# KiCad board drvesc.kicad_pcb
title: MUREX DRVESC; date: 2023-08-19; rev: V1.0; company: Murex Robotics [Max Liu]; note: // ONLY THE PARANOID SURVIVE.; note: // MOVE FAST.; note: TI's DRV8305 driver, and external mosfets, as the motor driver architecture.; note: The MUREX DRVESC is Murex Robotics' custom speed controller using an RP2040,
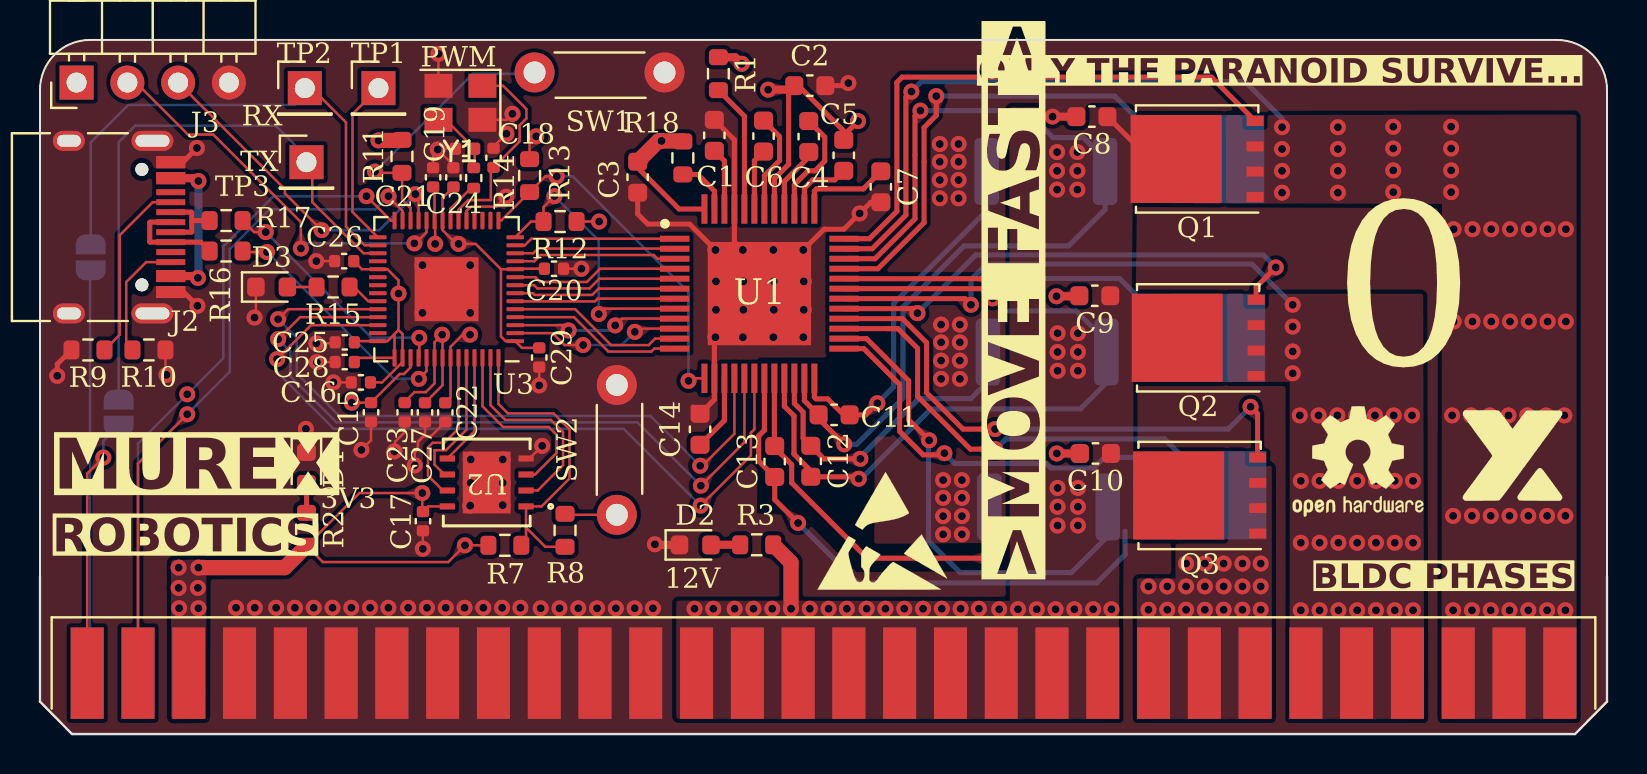
[diagram p0: board, top side]
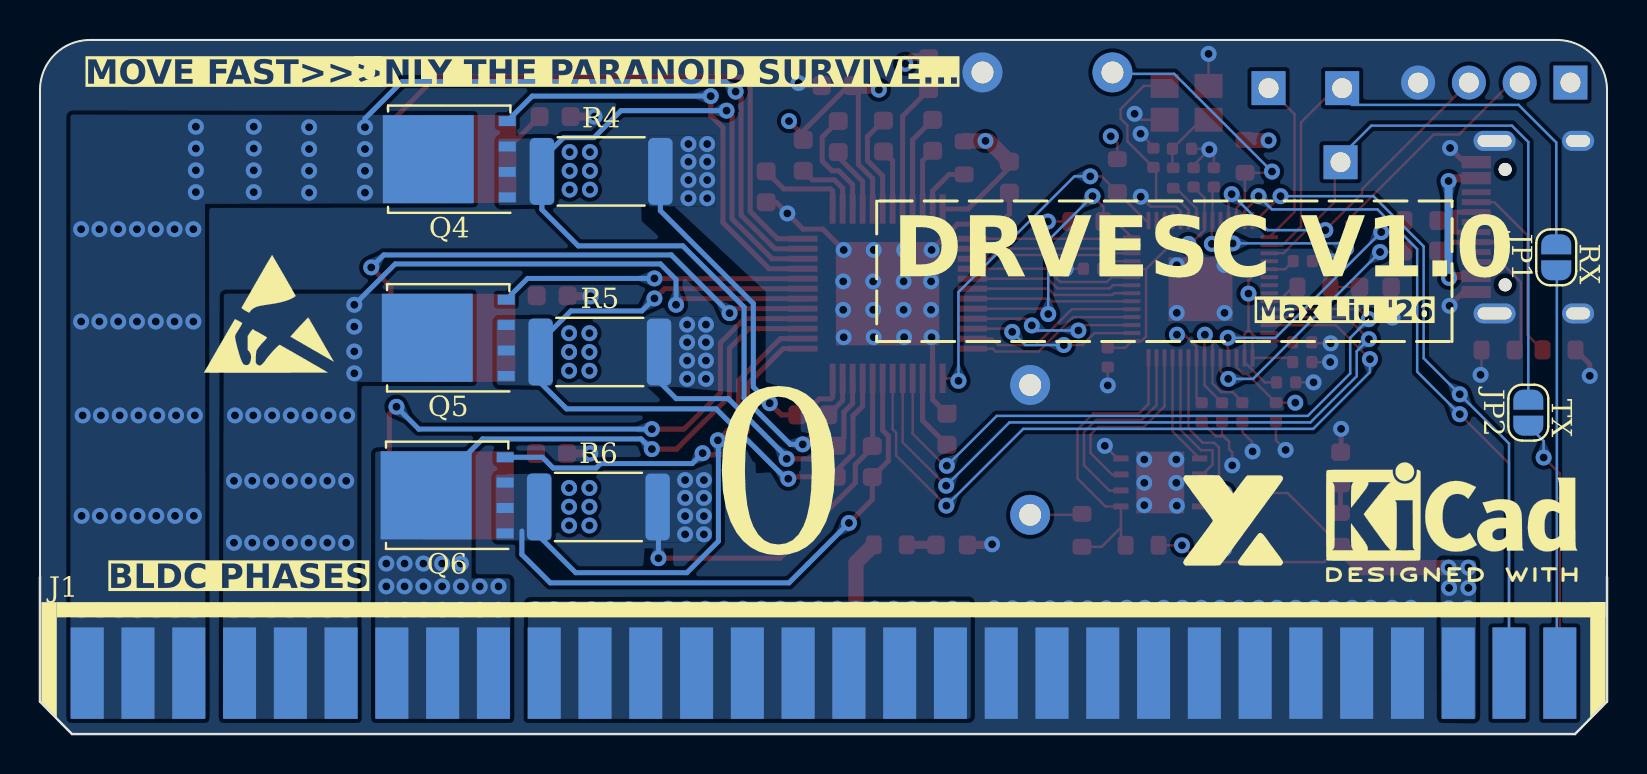
[diagram p1: board, bottom side, seen from below]

Outline 78.38 x 34.75 mm; copper layers: Top, PGND.Cu (plane), PWR.Cu (plane), Bottom. Coordinates in mm from the lower left corner of the outline.
Outline path: 0,7.87 0,32.25 arc(0.73,34.01) 2.5,34.75 75.88,34.75 arc(77.65,34.01) 78.38,32.25 78.38,7.87
Stack: Top 0.035mm / dielectric 0.1mm FR4 er 4.5 / PGND.Cu 0.035mm / dielectric 1.24mm FR4 er 4.5 / PWR.Cu 0.035mm / dielectric 0.1mm FR4 er 4.5 / Bottom 0.035mm

## Placement (name value [footprint] x y rotation side)
C1  1uF  [C_0603_1608Metric]  33.73 29.97 90 top
C2  4.7uF  [C_0603_1608Metric]  38.51 32.46 0 top
C3  1uF  [C_0603_1608Metric]  29.9 27.88 270 top
C4  0.047uF  [C_0603_1608Metric]  38.45 29.91 270 top
C5  2.2uF  [C_0603_1608Metric]  40.21 28.97 270 top
C6  0.047uF  [C_0603_1608Metric]  36.19 29.94 270 top
C7  1uF  [C_0603_1608Metric]  42.06 27.4 270 top
C8  1uF  [C_0603_1608Metric]  52.62 30.91 180 top
C9  1uF  [C_0603_1608Metric]  52.76 21.94 180 top
C10  1uF  [C_0603_1608Metric]  52.79 14.05 180 top
C11  1nF  [C_0603_1608Metric]  39.72 15.98 0 top
C12  1nF  [C_0603_1608Metric]  38.55 13.65 90 top
C13  1nF  [C_0603_1608Metric]  36.75 13.64 90 top
C14  1uF  [C_0603_1608Metric]  33.02 15.26 90 top
C15  1uF  [C_0402_1005Metric]  16.56 16.11 270 top
C16  1uF  [C_0402_1005Metric]  16.05 17.6 180 top
C17  1uF  [C_0402_1005Metric]  19.16 10.66 270 top
C18  27pF  [C_0402_1005Metric]  22.69 28.85 270 top
C19  27pF  [C_0402_1005Metric]  21.26 29.3 180 top
C20  0.1uF  [C_0402_1005Metric]  25.71 23.29 180 top
C21  0.1uF  [C_0402_1005Metric]  19.67 27.87 90 top
C22  0.1uF  [C_0402_1005Metric]  20.27 16.1 270 top
C23  0.1uF  [C_0402_1005Metric]  18.24 16.11 90 top
C24  0.1uF  [C_0402_1005Metric]  20.68 27.87 90 top
C25  0.1uF  [C_0402_1005Metric]  15.25 19.61 180 top
C26  0.1uF  [C_0402_1005Metric]  15.22 23.68 180 top
C27  0.1uF  [C_0402_1005Metric]  19.26 16.1 270 top
C28  0.1uF  [C_0402_1005Metric]  15.24 18.62 180 top
C29  0.1uF  [C_0402_1005Metric]  24.97 18.85 90 top
D1  LED  [LED_0603_1608Metric]  13.33 13.32 270 top
D2  LED  [LED_0603_1608Metric]  32.78 9.47 0 top
D3  LED  [LED_0603_1608Metric]  11.59 22.38 0 top
G***  LOGO  [10x10mm_Branding]  73.63 14 0 top
G***#2  LOGO  [10x10mm_Branding]  18.73 10.75 180 bottom
J1  5530843-7  [TE_5530843-7_PCB_Edge]  39.19 0 180 bottom
J2  USB_C_Receptacle_USB2.0  [USB_C_Receptacle_HRO_TYPE-C-31-M-12]  2.5 25.38 270 top
J3  Conn_01x04  [PinHeader_1x04_P2.54mm_Horizontal]  1.83 32.61 90 top
JP1  RX  [SolderJumper-2_P1.3mm_Open_RoundedPad1.0x1.5mm]  2.54 23.87 90 bottom
JP2  TX  [SolderJumper-2_P1.3mm_Open_RoundedPad1.0x1.5mm]  3.94 16.09 90 bottom
Q1  CSD18540Q5B  [TDSON-8-1]  57.88 28.79 180 top
Q2  CSD18540Q5B  [TDSON-8-1]  57.93 19.83 180 top
Q3  CSD18540Q5B  [TDSON-8-1]  58.01 11.94 180 top
Q4  CSD18540Q5B  [TDSON-8-1]  57.91 28.78 0 bottom
Q5  CSD18540Q5B  [TDSON-8-1]  57.96 19.84 0 bottom
Q6  CSD18540Q5B  [TDSON-8-1]  58.02 11.95 0 bottom
R1  100Ω  [R_0603_1608Metric]  33.93 33.06 270 top
R2  1k  [R_0603_1608Metric]  13.34 10.25 90 top
R3  2.7k  [R_0603_1608Metric]  35.85 9.47 180 top
R4  5mΩ  [R_2512_6332Metric]  50.32 28.17 180 bottom
R5  5mΩ  [R_2512_6332Metric]  50.38 19.13 180 bottom
R6  5mΩ  [R_2512_6332Metric]  50.45 11.37 180 bottom
R7  10k  [R_0603_1608Metric]  23.25 9.45 0 top
R8  1k  [R_0603_1608Metric]  26.26 10.2 270 top
R9  5.1k  [R_0603_1608Metric]  2.4 19.23 180 top
R10  5.1k  [R_0603_1608Metric]  5.45 19.23 180 top
R11  10k  [R_0603_1608Metric]  18.11 28.92 270 top
R12  10k  [R_0603_1608Metric]  26.01 25.66 180 top
R13  10k  [R_0603_1608Metric]  24.49 27.96 90 top
R14  1k  [R_0402_1005Metric]  21.7 27.84 270 top
R15  1k  [R_0603_1608Metric]  14.66 22.38 180 top
R16  27  [R_0603_1608Metric]  9.31 24.18 0 top
R17  27  [R_0603_1608Metric]  9.31 25.7 0 top
R18  10k  [R_0603_1608Metric]  32.16 28.84 270 top
REF**  -  [OSHW-Logo2_7.3x6mm_SilkScreen]  65.93 13.65 0 top
REF**#2  -  [ESD-Logo_6.6x6mm_SilkScreen]  42.14 10.19 0 top
REF**#3  -  [ESD-Logo_6.6x6mm_SilkScreen]  66.93 21.05 180 bottom
REF**#4  -  [KiCad-Logo2_5mm_SilkScreen]  7.77 10.62 180 bottom
SW1  SW_Push  [SW_PUSH_6mm_SLIM]  24.74 33.12 0 top
SW2  SW_Push  [SW_PUSH_6mm_SLIM]  28.85 10.98 90 top
TP1  ESC_PWM  [PinHeader_1x01_P2.54mm_Vertical]  16.93 32.33 0 top
TP2  ESC_RX  [PinHeader_1x01_P2.54mm_Vertical]  13.25 32.33 0 top
TP3  ESC_TX  [PinHeader_1x01_P2.54mm_Vertical]  13.33 28.63 0 top
U1  DRV8305NPHP  [QFP50P900X900X120-49N]  35.99 22.05 0 top
U2  W25Q64JVXGIQ TR  [DFN_XGIQ TR_WIN]  22.34 12.59 180 top
U3  RP2040  [QFN-56-1EP_7x7mm_P0.4mm_EP3.2x3.2mm]  20.33 22.27 180 top
Y1  12MHz  [Crystal_SMD_3225-4Pin_3.2x2.5mm]  21.03 31.6 180 top

## Library data of the parts
C1-C10 C14 C20-C29 = -: Description: Unpolarized capacitor; ki_fp_filters: C_*
C11-C13 C15-C19 = -: Description: Unpolarized capacitor, small symbol; ki_fp_filters: C_*
D1-D3 = -: Description: Light emitting diode; ki_fp_filters: LED* LED_SMD:* LED_THT:*
J1 = -: Datasheet: http://www.te.com/commerce/DocumentDelivery/DDEController?Action=srchrtrv&DocNm=5530843&DocType=Customer+Drawing&DocLang=English; Arrow Price/Stock: https://www.arrow.com/en/products/5530843-7/te-connectivity; Height: 15.494; Manufacturer_Name: TE Connectivity; Mouser Part Number: 571-5530843-7; Mouser Price/Stock: https://www.mouser.co.uk/ProductDetail/TE-Connectivity/5530843-7?qs=CWN9I2qbSLtja0SlxvLT%2FQ%3D%3D
J2 = -: Description: USB 2.0-only Type-C Receptacle connector; ki_fp_filters: USB*C*Receptacle*
J3 = -: Description: Generic connector, single row, 01x04, script generated (kicad-library-utils/schlib/autogen/connector/); ki_fp_filters: Connector*:*_1x??_*
JP1 JP2 = -: Description: Jumper, 2-pole, open; ki_fp_filters: Jumper* TestPoint*2Pads* TestPoint*Bridge*
Q1-Q6 = -: Description: 100A Id, 60V Vds, NexFET N-Channel Power MOSFET, 2.2mOhm Ron, 41nC Qg(typ), SON8 5x6mm; ki_fp_filters: TDSON*
R1-R3 R11-R15 R18 = -: Description: Resistor; ki_fp_filters: R_*
R4-R6 = -: Description: Resistor, small US symbol; ki_fp_filters: R_*
R7-R10 R16 R17 = -: Description: Resistor, small symbol; ki_fp_filters: R_*
SW1 SW2 = -: Description: Push button switch, generic, two pins
TP1-TP3 = -: Description: test point; ki_fp_filters: Pin* Test*
U1 = -: Datasheet: http://www.ti.com/lit/gpn/DRV8305; Arrow Price/Stock: https://www.arrow.com/en/products/drv8305nphp/texas-instruments?region=nac; Height: 1.2; Manufacturer_Name: Texas Instruments; Mouser Part Number: 595-DRV8305NPHP; Mouser Price/Stock: https://www.mouser.co.uk/ProductDetail/Texas-Instruments/DRV8305NPHP?qs=kFLL9AfgRSBx%252BbxN8KCMrQ%3D%3D
U2 = -: ki_fp_filters: DFN_XGIQ TR_WIN DFN_XGIQ TR_WIN-M DFN_XGIQ TR_WIN-L
U3 = -: Description: A microcontroller by Raspberry Pi; ki_fp_filters: QFN*1EP*7x7mm?P0.4mm*
Y1 = -: Description: Four pin crystal, GND on pins 2 and 4, small symbol; ki_fp_filters: Crystal*

## Footprints (pads in the part's own frame, mm; a bottom-side part is the same pattern mirrored in y, then rotated)
C_0402_1005Metric
  rrect 0.56x0.62 smd: 1(-0.48,0) 2(0.48,0)
C_0603_1608Metric
  rrect 0.9x0.95 smd: 1(-0.775,0) 2(0.775,0)
Crystal_SMD_3225-4Pin_3.2x2.5mm
  rect 1.4x1.2 smd: 1(-1.1,-0.85) 2(1.1,-0.85) 3(1.1,0.85) 4(-1.1,0.85)
DFN_XGIQ TR_WIN
  rect 0.762x0.305 smd: 1(-1.968,1.2) 2(-1.968,0.4) 3(-1.968,-0.4) 4(-1.968,-1.2) 5(1.968,-1.2) 6(1.968,-0.4) 7(1.968,0.4) 8(1.968,1.2)
  rect 2.388x3.099 smd: 4(0,0)
LED_0603_1608Metric
  rrect 0.875x0.95 smd: 1(-0.787,0) 2(0.787,0)
PinHeader_1x01_P2.54mm_Vertical
  rect 1.7x1.7 hole 1: 1(0,0)
PinHeader_1x04_P2.54mm_Horizontal
  rect 1.7x1.7 hole 1: 1(0,0)
  oval 1.7x1.7 hole 1: 2(0,-2.54) 3(0,-5.08) 4(0,-7.62)
QFN-56-1EP_7x7mm_P0.4mm_EP3.2x3.2mm
  rrect 1.29x1.29 smd: (-0.8,0.8) (-0.8,-0.8) (0.8,0.8) (0.8,-0.8)
  rrect 0.875x0.2 smd: 1(-3.438,2.6) 2(-3.438,2.2) 3(-3.438,1.8) 4(-3.438,1.4) 5(-3.438,1) 6(-3.438,0.6) 7(-3.438,0.2) 8(-3.438,-0.2) 9(-3.438,-0.6) 10(-3.438,-1) 11(-3.438,-1.4) 12(-3.438,-1.8) 13(-3.438,-2.2) 14(-3.438,-2.6) 29(3.438,-2.6) 30(3.438,-2.2) 31(3.438,-1.8) 32(3.438,-1.4) 33(3.438,-1) 34(3.438,-0.6) 35(3.438,-0.2) 36(3.438,0.2) 37(3.438,0.6) 38(3.438,1) 39(3.438,1.4) 40(3.438,1.8) 41(3.438,2.2) 42(3.438,2.6)
  rrect 0.2x0.875 smd: 15(-2.6,-3.438) 16(-2.2,-3.438) 17(-1.8,-3.438) 18(-1.4,-3.438) 19(-1,-3.438) 20(-0.6,-3.438) 21(-0.2,-3.438) 22(0.2,-3.438) 23(0.6,-3.438) 24(1,-3.438) 25(1.4,-3.438) 26(1.8,-3.438) 27(2.2,-3.438) 28(2.6,-3.438) 43(2.6,3.438) 44(2.2,3.438) 45(1.8,3.438) 46(1.4,3.438) 47(1,3.438) 48(0.6,3.438) 49(0.2,3.438) 50(-0.2,3.438) 51(-0.6,3.438) 52(-1,3.438) 53(-1.4,3.438) 54(-1.8,3.438) 55(-2.2,3.438) 56(-2.6,3.438)
  rect 3.2x3.2 smd: 57(0,0)
QFP50P900X900X120-49N
  rect 1.475x0.3 smd: 1(-4.238,2.75) 2(-4.238,2.25) 3(-4.238,1.75) 4(-4.238,1.25) 5(-4.238,0.75) 6(-4.238,0.25) 7(-4.238,-0.25) 8(-4.238,-0.75) 9(-4.238,-1.25) 10(-4.238,-1.75) 11(-4.238,-2.25) 12(-4.238,-2.75) 25(4.238,-2.75) 26(4.238,-2.25) 27(4.238,-1.75) 28(4.238,-1.25) 29(4.238,-0.75) 30(4.238,-0.25) 31(4.238,0.25) 32(4.238,0.75) 33(4.238,1.25) 34(4.238,1.75) 35(4.238,2.25) 36(4.238,2.75)
  rect 0.3x1.475 smd: 13(-2.75,-4.238) 14(-2.25,-4.238) 15(-1.75,-4.238) 16(-1.25,-4.238) 17(-0.75,-4.238) 18(-0.25,-4.238) 19(0.25,-4.238) 20(0.75,-4.238) 21(1.25,-4.238) 22(1.75,-4.238) 23(2.25,-4.238) 24(2.75,-4.238) 37(2.75,4.238) 38(2.25,4.238) 39(1.75,4.238) 40(1.25,4.238) 41(0.75,4.238) 42(0.25,4.238) 43(-0.25,4.238) 44(-0.75,4.238) 45(-1.25,4.238) 46(-1.75,4.238) 47(-2.25,4.238) 48(-2.75,4.238)
  rect 5.17x5.17 smd: 49(0,0)
R_0402_1005Metric
  rrect 0.54x0.64 smd: 1(-0.51,0) 2(0.51,0)
R_0603_1608Metric
  rrect 0.8x0.95 smd: 1(-0.825,0) 2(0.825,0)
R_2512_6332Metric
  rrect 1.225x3.35 smd: 1(-2.962,0) 2(2.962,0)
SolderJumper-2_P1.3mm_Open_RoundedPad1.0x1.5mm
  custom 1x1.5 smd: 1(-0.65,0) 2(0.65,0)
SW_PUSH_6mm_SLIM
  round 2 hole 1.1: 1(0,0) 2(6.5,0)
TDSON-8-1
  rect 1.5x1.5 smd: (-0.2,0.85) (-0.2,-0.85) (1.5,0.85) (1.5,-0.85)
  custom 4.55x4.41 smd: (0.65,0)
  rect 0.75x0.5 smd: (2.905,1.905) (2.905,0.635) (2.905,-0.635) (2.905,-1.905)
  rect 0.85x0.5 smd: 1(-2.9,1.905) 2(-2.9,0.635) 3(-2.9,-0.635) 4(-2.9,-1.905)
  rect 4.55x4.41 smd: 5(1.05,0)
TE_5530843-7_PCB_Edge
  rect 1.651x4.572 smd far side: 1(-36.83,3.048) 3(-34.29,3.048) 5(-31.75,3.048) 7(-29.21,3.048) 9(-26.67,3.048) 11(-24.13,3.048) 13(-21.59,3.048) 15(-19.05,3.048) 17(-16.51,3.048) 19(-13.97,3.048) 21(-11.43,3.048) 23(-8.89,3.048) 25(-6.35,3.048) 27(-3.81,3.048) 29(-1.27,3.048) 31(1.27,3.048) 33(3.81,3.048) 35(6.35,3.048) 37(8.89,3.048) 39(11.43,3.048) 41(13.97,3.048) 43(16.51,3.048) 45(19.05,3.048) 47(21.59,3.048) 49(24.13,3.048) 51(26.67,3.048) 53(29.21,3.048) 55(31.75,3.048) 57(34.29,3.048) 59(36.83,3.048)
  rect 1.651x4.572 smd: 2(-36.83,3.048) 4(-34.29,3.048) 6(-31.75,3.048) 8(-29.21,3.048) 10(-26.67,3.048) 12(-24.13,3.048) 14(-21.59,3.048) 16(-19.05,3.048) 18(-16.51,3.048) 20(-13.97,3.048) 22(-11.43,3.048) 24(-8.89,3.048) 26(-6.35,3.048) 28(-3.81,3.048) 30(-1.27,3.048) 32(1.27,3.048) 34(3.81,3.048) 36(6.35,3.048) 38(8.89,3.048) 40(11.43,3.048) 42(13.97,3.048) 44(16.51,3.048) 46(19.05,3.048) 48(21.59,3.048) 50(24.13,3.048) 52(26.67,3.048) 54(29.21,3.048) 56(31.75,3.048) 58(34.29,3.048) 60(36.83,3.048)
USB_C_Receptacle_HRO_TYPE-C-31-M-12
  round 0.65 hole 0.65 unplated: (-2.89,2.6) (2.89,2.6)
  rect 0.6x1.45 smd: A1(-3.25,4.045) A4(-2.45,4.045) A9(2.45,4.045) A12(3.25,4.045) B1(3.25,4.045) B4(2.45,4.045) B9(-2.45,4.045) B12(-3.25,4.045)
  rect 0.3x1.45 smd: A5(-1.25,4.045) A6(-0.25,4.045) A7(0.25,4.045) A8(1.25,4.045) B5(1.75,4.045) B6(0.75,4.045) B7(-0.75,4.045) B8(-1.75,4.045)
  oval 1x2.1 hole 0.6x1.7: S1(-4.32,3.13) S1(4.32,3.13)
  oval 1x1.6 hole 0.6x1.2: S1(-4.32,-1.05) S1(4.32,-1.05)

## Nets
/+3V3: C3.1 C16.1 C17.1 C20.2 C23.2 C24.1 C25.1 C26.1 C27.1 C28.1 C29.2 J1.55 J1.56 J3.1 R2.1 R7.1 R11.1 R12.1 R13.2 R18.1 U1.48 U2.8 U3.1 U3.10 U3.22 U3.33 U3.42 U3.43 U3.44 U3.48 U3.49
/PVDD: C2.1 C5.1 C8.1 C9.1 C10.1 J1.19 J1.20 J1.21 J1.22 J1.23 J1.24 J1.25 J1.26 J1.27 J1.28 J1.29 J1.30 J1.31 J1.32 J1.33 J1.34 J1.35 J1.36 Q1.5 Q2.5 Q3.5 R1.1 R3.1 U1.41
/RP2040/+1.1V: C15.1 C21.1 C22.1 U3.23 U3.45 U3.50
/RP2040/VBUS: J2.A4 J2.A9 J2.B4 J2.B9
GND: C1.2 C2.2 C3.2 C7.2 C8.2 C9.2 C10.2 C11.2 C12.2 C13.2 C14.2 C15.2 C16.2 C17.2 C18.1 C19.2 C20.1 C21.2 C22.2 C23.1 C24.2 C25.2 C26.2 C27.2 C28.2 C29.1 D1.1 D2.1 D3.1 J1.37 J1.38 J1.39 J1.40 J1.41 J1.42 J1.43 J1.44 J1.45 J1.46 J1.47 J1.48 J1.49 J1.50 J1.51 J1.52 J1.53 J1.54 J2.A1 J2.A12 J2.B1 J2.B12 J2.S1 J3.4 R4.2 R5.2 R6.2 R9.2 R10.1 SW1.2 SW2.2 U1.14 U1.20 U1.22 U1.24 U1.45 U1.49 U2.4 U3.19 U3.57 Y1.2 Y1.4
/BOARD_RX: J1.58 U3.28
/BOARD_RX_1: J1.60 JP1.1
/BOARD_TX: J1.57 U3.27
/BOARD_TX_1: J1.59 JP2.1
/EN_GATE: U1.1 U3.13
/ESC_PWM: TP1.1 U3.29
/GH_A: Q1.4 U1.36
/GH_B: Q2.4 U1.29
/GH_C: Q3.4 U1.28
/GL_A: Q4.4 U1.33
/GL_B: Q5.4 U1.32
/GL_C: Q6.4 U1.25
/INHA: U1.2 U3.12
/INHB: U1.4 U3.9
/INHC: U1.6 U3.7
/INLA: U1.3 U3.11
/INLB: U1.5 U3.8
/INLC: U1.7 U3.6
/NFAULT: R12.2 U1.8 U3.14
/NSCS: U1.9 U3.3
/PWRGD: R13.1 U1.13 U3.15
/RP2040/ADC_SPARE: U3.41
/RP2040/LED: R15.1 U3.37
/RP2040/QSPI_CS: R7.2 R8.2 U2.1 U3.56
/RP2040/QSPI_SCLK: U2.6 U3.52
/RP2040/QSPI_SD0: U2.5 U3.53
/RP2040/QSPI_SD1: U2.2 U3.55
/RP2040/QSPI_SD2: U2.3 U3.54
/RP2040/QSPI_SD3: U2.7 U3.51
/RP2040/RUN: R11.2 SW1.1 U3.26
/RP2040/SWD: J3.3 U3.25
/RP2040/SWLK: J3.2 U3.24
/RP2040/USB_BOOT: R8.1 SW2.1
/RP2040/USB_N: J2.A7 J2.B7 R17.1
/RP2040/USB_P: J2.A6 J2.B6 R16.1
/SCLK: U1.12 U3.4
/SDI: U1.10 U3.2
/SDO: U1.11 U3.5
/SH_A: J1.1 J1.2 J1.3 J1.4 J1.5 J1.6 Q1.1 Q1.2 Q1.3 Q4.5 U1.35
/SH_B: J1.7 J1.8 J1.9 J1.10 J1.11 J1.12 Q2.1 Q2.2 Q2.3 Q5.5 U1.30
/SH_C: J1.13 J1.14 J1.15 J1.16 J1.17 J1.18 Q3.1 Q3.2 Q3.3 Q6.5 U1.27
/SL_A: C11.1 Q4.1 Q4.2 Q4.3 R4.1 U1.23 U1.34
/SL_B: C12.1 Q5.1 Q5.2 Q5.3 R5.1 U1.21 U1.31
/SL_C: C13.1 Q6.1 Q6.2 Q6.3 R6.1 U1.19 U1.26
/SO1: U1.16 U3.38
/SO2: U1.17 U3.39
/SO3: U1.18 U3.40
/UART1_RX: JP1.2 TP2.1 U3.30
/UART1_TX: JP2.2 TP3.1 U3.31
/WAKE: R18.2 U1.47
Net-(C19-Pad1): C19.1 R14.1 Y1.3
Net-(D1-A): D1.2 R2.2
Net-(D2-A): D2.2 R3.2
Net-(D3-A): D3.2 R15.2
Net-(J2-CC1): J2.A5 R9.1
Net-(J2-CC2): J2.B5 R10.2
Net-(U1-AVDD): C14.1 U1.15
Net-(U1-CP1H): C6.2 U1.43
Net-(U1-CP1L): C6.1 U1.42
Net-(U1-CP2H): C4.1 U1.39
Net-(U1-CP2L): C4.2 U1.40
Net-(U1-DVDD): C1.1 U1.46
Net-(U1-VCP_LSD): C7.1 U1.37
Net-(U1-VCPH): C5.2 U1.38
Net-(U1-VDRAIN): R1.2 U1.44
Net-(U3-USB_DM): R17.2 U3.46
Net-(U3-USB_DP): R16.2 U3.47
Net-(U3-XIN): C18.2 U3.20 Y1.1
Net-(U3-XOUT): R14.2 U3.21

Pads without a net: J2 A8 B8; U3 16 17 18 32 34 35 36

## Via types
v1: diameter 0.8, hole 0.4, Top to Bottom, 314 vias

## Routing (per net, layer and track width the routed paths; a pad name or vN(x,y) marks a point on that pad's centre or on a via; arc(x,y) is an arc through that point)
/+3V3: length 153.8
  Top w0.125: v1(24.82,29.92) 24.49,29.59 R13.2 ; 19.41,16.74 C27.1 20.13,17.46 U3.49 20.13,19.97 v1(20.11,19.99) 19.73,19.61 U3.48 19.73,17.55 19.3,17.12 18.73,17.12 18.24,16.63 C23.2 ; 17.93,20.23 v1(17.93,22.05) 17.93,22.71 17.38,23.27 U3.33 16.1,23.27 C26.1 ; 17.93,20.23 17.73,20.03 ; 17.93,20.23 18.13,20.03 U3.44 18.13,18.62 17.12,17.6 C16.1 ; 23.06,23.27 U3.10 23.8,23.29 C20.2 ; 23.06,23.27 23.06,19.9 23.29,19.67 U3.1 24.11,19.33 C29.2 ; 23.06,23.27 21.79,24.54 v1(20.94,24.54) ; v1(27.97,25.66) R12.1 ; 24.98,23.27 24.98,23.27 ; v1(20.94,24.54) 20.75,24.54 ; v1(20.94,24.54) 20.82,24.54 20.13,25.23 U3.22 20.13,26.84 C24.1 ; R7.1 v1(21.26,9.45) 20.42,8.61 14.15,8.61 R2.1 15.98,12.06 v1(19.12,12.06) 19.12,11.17 C17.1 19.42,11.39 U2.8 ; 17.73,20.03 17.38,19.67 U3.42 15.78,19.67 C25.1 ; 17.73,20.03 U3.43 15.93,18.83 C28.1
  Top w0.25: 30.3,28.65 C3.1 29.9,28.35 31.97,26.28 U1.48
  Top w0.762: v1(16.93,29.72) 18.08,29.72 R11.1 ; R2.1 12.24,8.33 v1(7.92,8.33) ; R18.1 32.13,29.69 v1(31.09,29.69) 30.94,29.69 C3.1
  PWR.Cu w0.762: 20.15,25.54 20.94,24.76 v1(20.94,24.54) 26.85,24.54 v1(27.97,25.66) ; 20.15,25.54 20.44,25.54 24.28,29.39 ; 20.15,25.54 18.32,25.54 16.36,23.59 ; 16.04,20.96 17.13,22.05 v1(17.93,22.05) ; 16.04,20.96 14.89,22.11 ; 16.04,20.96 18.15,18.85 19.46,18.85 20.11,19.51 v1(20.11,19.99) ; 11,22.11 10.61,22.11 8.35,19.85 8.35,8.75 v1(7.92,8.33) ; 11,22.11 14.89,22.11 ; 11,22.11 5.8,27.31 4.7,27.31 2.83,29.18 2.83,32.05 2.26,32.61 ; v1(24.82,29.92) 24.28,29.39 ; 24.28,29.39 25.78,30.89 29.9,30.89 v1(31.09,29.69) ; v1(16.93,29.72) 15.35,28.14 15.35,24.6 16.36,23.59 ; 16.36,23.59 14.89,22.11
  vias: v1(6.93,8.33) v1(6.93,7.32) v1(6.96,6.3) v1(7.9,7.32) v1(7.92,6.3)
/PVDD: length 45.4
  Top w0.125: J1.21 50.62,4.51
  Top w0.25: C8.1 55.51,28.79 Q1.5
  Top w0.254: 54.86,26.72 55.01,26.87 ; 54.9,17.76 55.06,17.93 ; 54.96,28.14 55.01,28.14 ; v1(40.92,30.68) 40.21,29.97 C5.1 40.21,30.19 37.93,32.46 C2.1 37.45,32.18 37.45,28.52 36.74,27.81 U1.41
  Top w0.406: R1.1 34.77,33.88 v1(35.1,33.55) ; v1(36.42,32.26) 37.53,32.26 C2.1
  Top w0.762: R3.1 37.57,8.59 v1(37.57,6.27)
  PWR.Cu w2.54: 35.1,33.48 35.2,33.48 v1(36.42,32.26) 38,30.68 v1(40.92,30.68) 43.14,28.46 43.14,26.05 44.42,24.76 49.76,24.76
  Bottom w0.125: J1.21 50.62,4.51
  vias: v1(32.74,6.27) v1(33.68,6.27) v1(34.75,6.27) v1(35.69,6.27) v1(36.63,6.27) v1(38.51,6.27) v1(39.45,6.27) v1(40.36,6.27) v1(41.35,6.27) v1(42.29,6.27) v1(43.23,6.27) v1(44.17,6.27) v1(45.11,6.27) v1(46.05,6.27) v1(46.96,6.27) v1(47.98,6.25) v1(48.92,6.25) v1(49.86,6.25) v1(50.88,29.13) v1(50.88,28.19) v1(50.88,27.25) v1(50.8,6.25) v1(50.9,20.07) v1(50.9,19.13) v1(50.9,18.19) v1(50.9,12.32) v1(50.9,11.38) v1(50.9,10.44) v1(51.74,6.25) v1(51.89,29.13) v1(51.89,28.19) v1(51.89,27.25) v1(51.92,20.07) v1(51.92,19.13) v1(51.92,18.19) v1(51.92,12.32) v1(51.92,11.38) v1(51.92,10.44) v1(52.68,6.25) v1(53.59,6.25)
/RP2040/+1.1V: length 24.1
  Top w0.125: C22.1 20.53,16.84 U3.50 20.53,19.39 21.14,19.99 v1(21.51,19.99) ; U3.45 18.53,18.35 18.2,18.02 17.99,18.02 C15.1 v1(15.59,16.59) ; v1(19.77,24.54) 19.77,25.68 U3.23 19.73,27.32 C21.1
  PWR.Cu w0.125: v1(19.77,24.54) 19.79,24.51 19.79,21.71 v1(21.51,19.99) 21.51,19.41 18.69,16.59 v1(15.59,16.59)
/RP2040/VBUS: length 7.7
  Top w0.406: J2.A9 7.81,22.93 v1(7.9,22.83) ; J2.A4 7.78,27.83 v1(7.92,27.69)
  Bottom w0.406: v1(7.92,27.69) 7.92,22.86 v1(7.9,22.83)
GND: length 116.6
  Top w0.125: 18.9,14.63 19.26,14.99 C27.2 ; 18.9,14.63 18.9,14.25 18.75,14.1 v1(18.75,13.45) ; 18.9,14.63 19.18,14.91 19.56,14.91 C22.2 ; v1(6.32,17.98) 6.27,18.03 R10.1 ; v1(13.82,23.68) C26.2 ; U3.19 21.33,26.19 21.56,26.41 22.83,26.41 v1(23.32,26.9) ; v1(19.89,29.26) 19.67,29.03 C21.2 ; v1(19.89,29.26) 19.93,29.3 C19.2 ; v1(19.89,29.26) 20.68,28.48 C24.2 ; D3.1 10.8,20.92 v1(10.73,20.85) ; v1(16.08,14.22) 16.56,14.7 C15.2 ; C28.2 v1(13.85,18.62) ; C18.1 22.69,29.41 v1(23.33,30.05) ; U2.4 24.49,13.79 v1(25.12,14.43) ; v1(23.63,31.05) 23.33,30.75 Y1.4 ; Y1.2 v1(19.93,34.05) ; v1(14.68,17.6) C16.2 ; C29.1 v1(24.97,17.45) ; 1.45,19.3 1.63,19.3 ; 25.18,14.66 25.18,14.71 ; C17.2 19.15,10.17 v1(19.15,9.27) ; v1(17.73,14.15) 17.76,14.18 17.76,14.63 18.24,15.12 C23.1 ; v1(13.82,19.56) 14.71,19.56 C25.2 ; v1(27.08,23.29) C20.1
  Top w0.25: R9.2 0.86,18.52 v1(0.86,17.93) ; C3.2 29.9,26.03 30.4,25.53 32.49,25.53 v1(33.79,24.23) 33.79,24.29 ; v1(38.18,24.23) 39.22,25.28 40.21,25.28 v1(41,26.06) 41.56,26.62 C7.2 ; v1(13.3,15.28) 13.3,14.14
  Top w0.254: v1(47.45,8.8) 41.38,8.8 37.6,12.58 37.6,13.49 36.75,14.34 C13.2 36.74,14.43 U1.20 ; C1.2 34.74,29.74 U1.45 34.74,24.66 v1(35.16,24.23) ; J2.A12 7.19,22.13 v1(7.88,21.44) ; U1.24 38.74,16.87 38.82,16.78 39.4,16.78 40.2,15.98 C11.2 41.3,15.98 v1(41.88,16.56) ; v1(33.79,19.87) 33.74,19.81 U1.14 33.74,16.75 C14.2 32.67,16.38 ; J2.A1 7.14,28.63 v1(7.85,29.34) ; v1(41.03,13.78) 39.21,13.78 C12.2 38.17,14.81 38.17,16.11 37.74,16.55 U1.22 ; C2.2 40.31,32.46 v1(40.44,32.59)
  Top w0.406: D2.1 30.79,9.47 v1(30.76,9.5) ; v1(50.85,21.92) 51.96,21.92 C9.2 ; v1(50.86,14.05) C10.2 ; C8.2 v1(50.65,30.91)
  Bottom w0.25: R5.2 47.42,17.65 46.56,16.79 43.95,16.79
  Bottom w0.254: v1(47.45,8.8) 47.45,11.33 R6.2 ; R4.2 47.35,26.2 42.7,21.55 42.7,17.38 v1(41.88,16.56) ; 43.95,16.79 41.03,13.87 v1(41.03,13.78)
  vias: v1(9.81,6.32) v1(10.75,6.32) v1(11.81,6.32) v1(12.75,6.32) v1(13.69,6.32) v1(14.63,6.32) v1(15.57,6.32) v1(16.51,6.32) v1(17.43,6.32) v1(18.42,6.32) v1(19.13,23.47) v1(19.13,21.08) v1(19.36,6.32) v1(20.3,6.32) v1(21.24,6.32) v1(21.52,23.47) v1(21.52,21.08) v1(21.54,13.74) v1(21.54,12.58) v1(21.52,11.43) v1(22.18,6.32) v1(23.14,13.74) v1(23.14,12.58) v1(23.14,11.46) v1(23.12,6.32) v1(24.03,6.32) v1(25.05,6.3) v1(25.99,6.3) v1(26.93,6.3) v1(27.87,6.3) v1(28.8,6.3) v1(29.74,6.3) v1(30.66,6.3) v1(33.81,22.66) v1(33.81,21.24) v1(35.16,19.87) v1(35.18,22.66) v1(35.18,21.24) v1(36.68,24.23) v1(36.71,22.66) v1(36.71,21.24) v1(36.68,19.87) v1(38.21,22.66) v1(38.21,21.24) v1(38.18,19.87) v1(45.01,29.54) v1(45.01,28.65) v1(45.01,27.73) v1(45.01,26.82) v1(45.07,20.5) v1(45.07,19.61) v1(45.07,18.69) v1(45.07,17.78) v1(45.17,12.71) v1(45.17,11.83) v1(45.17,10.91) v1(45.17,10) v1(45.95,29.54) v1(45.95,28.65) v1(45.95,27.73) v1(45.95,26.82) v1(46.01,20.5) v1(46.01,19.61) v1(46.01,18.69) v1(46.01,17.78) v1(46.11,12.71) v1(46.11,11.83) v1(46.11,10.91) v1(46.11,10)
/BOARD_RX: length 33.2
  Top w0.125: v1(16.33,26.93) 17.55,25.71 U3.28
  Bottom w0.125: v1(16.33,26.93) 11.68,26.93 9.17,24.41 9.17,18.81 v1(7.37,17.01) 4.9,14.55 J1.58
/BOARD_RX_1: length 20.2
  Bottom w0.125: J1.60 2.51,3.19 2.51,23.18 JP1.1
/BOARD_TX: length 33.7
  Top w0.125: v1(17.43,26.93) 17.43,26.89 18.13,26.19 U3.27 ; v1(7.37,16.01) 4.9,13.55 J1.57
  Bottom w0.125: v1(17.43,26.93) 16.77,26.26 11.48,26.26 9.5,24.28 9.5,18.14 v1(7.37,16.01)
/BOARD_TX_1: length 13
  Top w0.125: v1(3.17,13.84) 2.36,13.04 J1.59
  Bottom w0.125: v1(3.17,13.84) 3.17,14.67 JP2.1
/EN_GATE: length 8.1
  Top w0.125: U3.13 24.25,24.47 24.58,24.8 U1.1
/ESC_PWM: length 8.5
  Top w0.125: TP1.1 15.63,31.04 15.63,26.14 U3.29
/GH_A: length 29
  Top w0.25: Q1.4 58.88,32.59 ; 58.88,32.59 58.59,32.89 ; 58.88,32.59 58.59,32.89 ; 58.59,32.89 43.13,32.89 42.86,32.62
  Top w0.254: U1.36 41.49,24.8 42.86,26.17 42.86,32.62
/GH_B: length 25.4
  Top w0.25: v1(61.82,23.36) 60.83,22.38 Q2.4 ; v1(43.89,21.07) 43.67,21.3 U1.29
  Top w0.254: 43.72,21.25 v1(43.89,21.07)
  Bottom w0.254: v1(61.82,23.36) 61.19,23.99 46.81,23.99 v1(43.89,21.07)
/GH_C: length 27.2
  Top w0.25: v1(47.78,15.27) 46.17,15.27 44.35,17.09 44.35,19.59 43.14,20.8 U1.28 ; v1(60.55,16.38) 60.91,16.03 Q3.4
  Bottom w0.25: v1(47.78,15.27) 59.44,15.27 v1(60.55,16.38)
/GL_A: length 22.2
  Top w0.254: v1(44.83,31.94) 44.83,30.97 44.22,30.36 44.22,25.6 41.91,23.3 U1.33
  Bottom w0.254: Q4.4 53.76,31.94 v1(44.83,31.94)
/GL_B: length 15.3
  Top w0.25: v1(47.65,22.81) 47.64,22.8 U1.32
  Bottom w0.25: Q5.4 54,22.81 v1(47.65,22.81)
/GL_C: length 19
  Top w0.254: U1.25 41.21,19.3 43,17.5 43,15.16 44.17,13.98 45.16,13.98 v1(45.24,14.06)
  Bottom w0.25: v1(45.24,14.06) 45.76,13.54 50.34,13.54
  Bottom w0.254: Q6.4 53.25,13.86 52.72,13.32 50.56,13.32 50.34,13.54
/INHA: length 8.2
  Top w0.125: U3.12 24.67,24.07 24.9,24.3 31.74,24.3 U1.2 31.67,24.37
/INHB: length 8.3
  Top w0.125: U1.4 28.02,23.3 27.36,22.63 25.02,22.63 24.78,22.87 U3.9
/INHC: length 8.3
  Top w0.125: U3.7 24.66,22.07 24.75,21.98 27.62,21.98 27.94,22.3 U1.6 31.67,22.37
/INLA: length 8.2
  Top w0.125: U3.11 24.73,23.67 25.04,23.98 30.7,23.98 30.89,23.8 U1.3
/INLB: length 8.2
  Top w0.125: U3.8 24.72,22.47 24.88,22.31 27.49,22.31 27.98,22.8 U1.5
/INLC: length 8
  Top w0.125: U3.6 23.78,21.66 27.76,21.66 27.9,21.8 U1.7
/NFAULT: length 14
  Top w0.125: v1(27.95,21.03) 28.22,21.3 U1.8 ; U3.14 24.56,25.66 R12.2 25.19,26.38 v1(25.73,26.93)
  Bottom w0.125: v1(25.73,26.93) 27.95,24.71 v1(27.95,21.03)
/NSCS: length 8.3
  Top w0.125: v1(28.77,20.46) 29.11,20.8 U1.9 ; v1(26.44,20.2) 26.18,20.47 U3.3
  Bottom w0.125: v1(28.77,20.46) 28.52,20.2 v1(26.44,20.2)
/PWRGD: length 18.1
  Top w0.125: U1.13 32.57,17.81 v1(32.44,17.68) ; U3.15 23.07,25.71 R13.1 25.28,27.92 v1(25.85,27.92)
  Bottom w0.125: v1(25.85,27.92) 26.64,27.92 32.44,22.12 v1(32.44,17.68)
/RP2040/LED: length 1.7
  Top w0.125: U3.37 16.42,21.67 15.71,22.38 R15.1
/RP2040/QSPI_CS: length 16
  Top w0.125: 23.98,9.53 24.31,9.86 24.31,10.31 24.31,10.27 ; R8.2 25.28,9.37 24.31,10.34 U2.1 25.09,11.39 26.49,12.79 26.49,15.25 25.69,16.05 23.41,16.05 22.93,16.53 22.93,16.53 U3.56
/RP2040/QSPI_SCLK: length 7.2
  Top w0.125: U3.52 21.33,15.24 20.31,14.21 19.73,14.21 19.73,13.49 20.23,12.99 U2.6
/RP2040/QSPI_SD0: length 5.6
  Top w0.125: U2.5 21.73,15.15 U3.53
/RP2040/QSPI_SD1: length 10.6
  Top w0.125: U2.2 24.9,12.19 26.16,13.46 26.16,15.12 25.56,15.73 23.27,15.73 22.53,16.46 U3.55
/RP2040/QSPI_SD2: length 9.6
  Top w0.125: U3.54 22.13,16.41 23.17,15.37 25.45,15.37 25.84,14.98 25.84,14.07 24.76,12.99 U2.3
/RP2040/QSPI_SD3: length 8.1
  Top w0.125: U2.7 20.15,12.19 19.41,12.93 19.41,14.34 19.65,14.58 20.22,14.58 20.93,15.29 U3.51
/RP2040/RUN: length 14.3
  Top w0.125: v1(16.76,28.16) 16.82,28.09 R11.2 18.11,28.09 18.11,26.75 18.53,26.33 U3.26 ; 18.11,27.84 18.37,28.09
  Bottom w0.125: v1(16.76,28.16) 21.65,33.05 24.67,33.05 SW1.1
/RP2040/SWD: length 17.3
  Top w0.125: v1(14.09,25.23) 12.25,27.07 12.25,27.27 J3.3 ; U3.25 18.93,26.87 v1(18.78,27.03) ; 18.83,26.85 18.93,26.74
  Bottom w0.125: v1(14.09,25.23) 16.97,25.23 v1(18.78,27.03)
/RP2040/SWLK: length 19.6
  Top w0.125: 18.78,24.56 19.33,25.12 U3.24 ; 4.8,32.61 7.4,30.01 8.67,30.01 13.05,25.63 v1(13.05,24.31)
  Bottom w0.125: v1(18.73,24.56) 13.31,24.56 v1(13.05,24.31)
/RP2040/USB_BOOT: length 2.5
  Top w0.125: 26.32,10.98 SW2.1
/RP2040/USB_N: length 4
  Top w0.254: J2.B7 7.57,26.13 7.59,26.1 7.59,25.65 ; 7.59,25.65 7.59,25.15 7.57,25.13 J2.A7 ; 7.59,25.65 7.64,25.7 R17.1
/RP2040/USB_P: length 5.2
  Top w0.2: R16.1 8.04,24.63
  Top w0.254: J2.A6 5.51,25.63 5.49,25.6 5.49,24.65 5.51,24.63 J2.B6 8.04,24.63
/SCLK: length 8.8
  Top w0.125: U1.12 30.73,19.3 30.58,19.15 28.43,19.15 26.71,20.87 U3.4
/SDI: length 8.6
  Top w0.125: v1(29.75,20.13) 29.92,20.3 U1.10 ; U3.2 25.64,20.07 26.23,19.47 v1(27.17,19.47)
  Bottom w0.125: v1(29.75,20.13) 29.09,19.47 v1(27.17,19.47)
/SDO: length 8.9
  Top w0.125: U3.5 26.77,21.27 28.57,19.47 30.45,19.47 30.77,19.8 U1.11
/SH_A: length 30
  Top w0.254: v1(43.59,32.16) 43.32,31.89 43.32,25.98 41.63,24.3 U1.35
  Bottom w0.254: v1(62.13,30.38) 62.13,30.81 60.28,32.66 44.09,32.66 v1(43.59,32.16)
  vias: v1(62.13,29.29) v1(62.13,28.19) v1(62.13,27.1) v1(64.92,30.38) v1(64.92,29.29) v1(64.92,28.19) v1(64.92,27.1) v1(67.69,30.4) v1(67.69,29.31) v1(67.69,28.22) v1(67.69,27.13) v1(70.59,30.4) v1(70.59,29.31) v1(70.59,28.22) v1(70.59,27.13) v1(70.64,15.95) v1(70.71,25.27) v1(70.71,20.65) v1(70.69,10.92) v1(70.69,6.2) v1(71.58,15.95) v1(71.65,25.27) v1(71.65,20.65) v1(71.63,10.92) v1(71.63,6.2) v1(72.52,15.95) v1(72.57,10.92) v1(72.57,6.2) v1(72.59,25.27) v1(72.59,20.65) v1(73.46,15.95) v1(73.53,25.27) v1(73.53,20.65) v1(73.51,10.92) v1(73.51,6.2) v1(74.47,25.27) v1(74.47,20.65) v1(74.4,15.95) v1(74.45,10.92) v1(74.45,6.2) v1(75.34,15.95) v1(75.41,25.27) v1(75.41,20.65) v1(75.39,10.92) v1(75.39,6.2) v1(76.25,15.95) v1(76.33,25.27) v1(76.33,20.65) v1(76.3,10.92) v1(76.3,6.2)
/SH_B: length 25
  Top w0.25: v1(46.57,21.49) 46.26,21.8 U1.30
  Bottom w0.25: v1(46.57,21.49) 46.57,22.75 47.35,23.53 60.62,23.53 v1(62.66,21.49)
  vias: v1(62.66,20.4) v1(62.66,19.15) v1(62.66,18.06) v1(63.02,15.95) v1(63.07,12.67) v1(63.07,9.58) v1(63.07,6.2) v1(63.96,15.95) v1(64.01,12.67) v1(64.01,9.58) v1(64.01,6.2) v1(64.9,15.95) v1(64.95,12.67) v1(64.95,9.58) v1(64.95,6.2) v1(65.84,15.95) v1(65.89,12.67) v1(65.89,9.58) v1(65.89,6.2) v1(66.78,15.95) v1(66.83,12.67) v1(66.83,9.58) v1(66.83,6.2) v1(67.72,15.95) v1(67.77,12.67) v1(67.77,9.58) v1(67.77,6.2) v1(68.63,15.95) v1(68.68,12.67) v1(68.68,9.58) v1(68.68,6.2)
/SH_C: length 24.6
  Top w0.25: 42.39,20.3 42.91,20.3 43.9,19.31 43.9,16.9 46.54,14.27 v1(47.78,14.27) ; 42.39,20.3 42.91,20.3 ; 42.39,20.3 U1.27
  Bottom w0.254: Q6.5 56.25,14.77 48.31,14.77 47.81,14.27 v1(47.78,14.27)
  vias: v1(55.45,7.39) v1(55.45,6.22) v1(56.39,7.39) v1(56.39,6.22) v1(57.33,8.53) v1(57.33,7.39) v1(57.33,6.22) v1(58.27,8.53) v1(58.27,7.39) v1(58.27,6.22) v1(59.21,8.53) v1(59.21,7.39) v1(59.21,6.22) v1(60.15,8.53) v1(60.15,7.39) v1(60.15,6.22) v1(61.06,8.53) v1(61.06,7.39) v1(61.06,6.22)
/SL_A: length 47.4
  Top w0.254: U1.23 38.24,16.69 C11.1 38.95,15.79 v1(40.23,14.5) ; U1.34 41.77,23.8 43.77,25.79 43.77,30.94 v1(44.04,31.21)
  Bottom w0.254: v1(44.04,31.21) 49.32,31.21 50.67,29.86 52.19,29.86 53.28,28.78 R4.1 53.28,26.26 51.46,24.44 46.23,24.44 43.16,21.37 43.16,16.82 40.85,14.5 v1(40.23,14.5)
/SL_B: length 38.6
  Top w0.25: v1(47.65,21.81) 47.63,21.81 47.14,22.3 U1.31
  Top w0.254: U1.21 37.24,16.41 37.72,15.93 37.72,14.01 38.55,13.17 C12.1 40.86,12.88 v1(40.95,12.78)
  Bottom w0.25: v1(47.65,21.81) 48.28,21.18 51.82,21.18 53.34,19.66 R5.1
  Bottom w0.254: R5.1 53.34,17.58 52.04,16.28 44.56,16.28 41.07,12.78 v1(40.95,12.78) ; 52.1,16.34 52.13,16.37
/SL_C: length 53.6
  Top w0.25: U1.26 41.35,19.8 43.45,17.69 43.45,15.73 v1(44.48,14.71)
  Top w0.254: v1(37.92,10.57) 36.75,11.74 C13.1 35.95,13.67 35.95,14.92 36.24,15.21 U1.19
  Bottom w0.25: v1(44.48,14.71) 44.45,14.68 44.45,9.65 46.02,8.08 51.59,8.08 53.41,9.9 R6.1
  Bottom w0.254: 53.41,10.91 R6.1 ; R6.1 53.19,11.14 ; R6.1 53.41,12.22 ; 54.28,10.16 54.28,8.99 52.86,7.57 40.92,7.57 v1(37.92,10.57) 37.92,10.53
/SO1: length 35.5
  Top w0.125: U3.38 12.41,21.27 v1(11.91,20.77) ; U1.16 34.74,15.03 33.13,13.43 v1(33.02,13.43)
  Bottom w0.125: v1(11.91,20.77) 12.85,19.83 12.85,18.05 14.97,15.93 30.53,15.93 v1(33.02,13.43)
/SO2: length 36.6
  Top w0.125: U1.17 35.24,14.61 v1(33.06,12.43) ; v1(11.91,19.77) 13.01,20.87 U3.39
  Bottom w0.125: v1(33.06,12.43) 29.89,15.6 14.83,15.6 12.52,17.91 12.52,19.16 v1(11.91,19.77)
/SO3: length 37.8
  Top w0.125: v1(11.86,18.77) 13.56,20.47 U3.40 ; U1.18 35.74,15.26 35.56,15.08 35.56,13.94 v1(33.05,11.43)
  Bottom w0.125: v1(33.05,11.43) 29.2,15.28 14.7,15.28 11.86,18.12 v1(11.86,18.77)
/UART1_RX: length 26.9
  Top w0.125: 13.59,32.33 15.31,30.62 15.31,25.4 16.24,24.47 U3.30
  Bottom w0.125: 13.59,32.33 12.76,31.5 4.42,31.5 2.54,29.62 JP1.2
/UART1_TX: length 30
  Top w0.125: U3.31 16.18,24.07 13.62,26.63 13.62,28.63
  Bottom w0.125: 13.62,28.63 11.79,30.46 4.76,30.46 3.94,29.64 JP2.2
/WAKE: length 2.8
  Top w0.25: R18.2 32.9,28.02 33.74,27.18 U1.47
Net-(C19-Pad1): length 3.5
  Top w0.125: R14.1 21.74,28.39 C19.1 20.29,30.75 Y1.3
  Top w0.25: 21.7,29.26 C19.1 21.74,29.29
Net-(D1-A): length 1.5
  Top w0.25: R2.2 13.34,12.53
Net-(D2-A): length 1.5
  Top w0.406: R3.2 33.57,9.47
Net-(D3-A): length 1.5
  Top w0.125: R15.2 D3.2
Net-(J2-CC1): length 9.3
  Top w0.125: J2.A5 5.64,26.63 3.99,24.97 3.99,19.99 R9.1
Net-(J2-CC2): length 6.2
  Top w0.125: R10.2 4.31,19.54 4.31,22.63 5.31,23.63 J2.B5
Net-(U1-AVDD): length 3.8
  Top w0.254: U1.15 34.24,15.7 C14.1
Net-(U1-CP1H): length 3.1
  Top w0.254: C6.2 35.74,28.7 U1.43
Net-(U1-CP1L): length 5.1
  Top w0.254: U1.42 36.24,27.95 36.99,28.71 36.99,29.91 C6.1
Net-(U1-CP2H): length 5.6
  Top w0.254: C4.1 39.25,29.88 39.25,28.68 38.77,28.2 38.43,28.2 37.74,27.5 U1.39
Net-(U1-CP2L): length 3.4
  Top w0.254: U1.40 37.24,27.67 38.45,28.88 C4.2
Net-(U1-DVDD): length 3.1
  Top w0.25: U1.46 34.24,28.69 C1.1
Net-(U1-VCP_LSD): length 4.6
  Top w0.254: U1.37 38.74,27.18 38.84,27.29 41.18,27.29 C7.1
Net-(U1-VCPH): length 3.4
  Top w0.254: C5.2 39.75,27.74 38.65,27.74 38.24,27.33 U1.38
Net-(U1-VDRAIN): length 6.5
  Top w0.25: U1.44 35.24,30.93 R1.2
Net-(U3-USB_DM): length 12.3
  Top w0.125: v1(11.3,25.13) 10.71,25.13 R17.2 ; U3.46 18.97,18.87 v1(18.97,19.84)
  Bottom w0.125: v1(18.97,19.84) 16.59,19.84 v1(11.3,25.13)
Net-(U3-USB_DP): length 12.7
  Top w0.125: v1(11.35,24.13) 10.19,24.13 R16.2 ; v1(18.95,17.78) 19.33,18.17 U3.47
  Bottom w0.125: v1(18.95,17.78) 17.7,17.78 v1(11.35,24.13)
Net-(U3-XIN): length 10.3
  Top w0.125: Y1.1 23.17,32.45 24.33,31.29 24.33,30.81 23.99,30.48 23.99,29.67 C18.2 22.55,28.23 22.55,26.73 21.42,26.73 20.93,26.24 U3.20
Net-(U3-XOUT): length 2.2
  Top w0.125: R14.2 21.56,27.33 20.53,26.3 U3.21

## Copper pours and planes (outline as drawn; the poured copper is in the pictures)
/+3V3 on Top, Bottom: 6.55,8.71 6.55,0.74 8.31,0.76 8.33,8.74
/+3V3 on PWR.Cu: 6.55,8.71 6.58,5.89 8.31,5.94 8.33,8.74
/PVDD on Top, Bottom, PWR.Cu: 53.98,6.65 53.95,0.76 31.83,0.76 31.83,6.68
/PVDD on Top, PWR.Cu: 53.98,5.84 54,9.75 59.23,9.75 59.23,14.15 54.69,14.15 54.69,17.63 59.18,17.63 59.16,22.05 54.61,22.05 54.66,26.59 59.13,26.57 59.11,30.99 54.56,30.99 54.56,31.37 48.49,31.39 48.51,5.77
GND on Top: -0.69,35.61 -0.97,-1.04 79.22,-0.43 79.1,10.34 48.18,10.21 48.18,8.15 40.84,8.1 38.07,10.94 35.86,11.05 35.97,18.85 39.29,18.85 39.34,17.22 42.52,17.07 42.55,14.88 41.76,14.88 41.73,9.52 45.69,9.55 79.32,9.96 79.02,35.26
GND on Bottom: -0.76,35.66 -1.12,-1.02 79.35,-0.43 79.45,8.79 48.12,9.59 48.21,8.28 46.71,8.31 46.71,9.3 48.16,9.3 79.15,8.51 79.1,13.21 42.6,13.64 42.57,13.06 40.34,13.21 40.34,17.04 42.09,17.63 42.09,22.15 46.74,26.49 48.31,26.52 48.29,25.68 43.18,21.11 43.31,17.07 46.81,17.4 48.02,17.37 46.66,16.13 44.07,16.05 42.62,13.46 79.22,12.95 78.89,35.41
GND on Bottom: 44.67,20.9 44.67,17.37 48.02,17.37 48.02,20.9
GND on Bottom: 44.77,13.12 44.77,9.59 48.12,9.59 48.12,13.12
GND on Bottom: 44.6,29.94 44.6,26.41 47.96,26.41 47.96,29.94
GND on PGND.Cu, PWR.Cu: -0.63,35.66 -1.02,-0.99 79.53,-0.48 79.43,8.25 46.79,8.13 46.76,9.5 48.21,9.55 48.21,7.82 79.73,7.9 79.53,12.93 40.21,13.16 40.16,17.17 42.57,17.14 42.52,12.95 79.6,12.83 79.32,35.41 -0.63,35.64
/SH_A on Top, Bottom, PWR.Cu: 70.1,0.76 70.13,26.54 56.69,26.57 56.69,30.99 76.86,31.01 76.86,0.76
/SH_B on Top, Bottom, PWR.Cu: 62.51,0.76 62.51,17.63 56.74,17.63 56.74,22.05 69.19,22.05 69.24,0.76
/SH_C on Top, Bottom, PWR.Cu: 61.62,0.76 61.62,14.15 56.79,14.15 56.79,7.8 54.86,7.8 54.86,0.76
/SL_A on Bottom: 55.45,29.82 55.45,26.47 52.65,26.52 52.65,29.82
/SL_B on Bottom: 52.74,20.78 52.74,17.42 55.54,17.48 55.54,20.78
/SL_C on Bottom: 52.8,9.69 52.8,13.04 55.59,12.99 55.59,9.69

Small or netless copper shapes (teardrops, artwork), in the pictures only: 49 on Top, 48 on Bottom, 4 on PWR.Cu

## Text on the board
B.Silkscreen: RX | TX | Max Liu '26 | ONLY THE PARANOID SURVIVE... | BLDC PHASES | MOVE FAST>>> | DRVESC V1.0 | 0
User.Comments: PCB3D_TL_<drvesc> | PCB3D_BR_<drvesc>
F.Silkscreen: TX | RX | 3V3 | PWM | 12V | ONLY THE PARANOID SURVIVE... | BLDC PHASES | ROBOTICS | MUREX | >MOVE FAST> | 0
